# Altium PCB test_board.PcbDoc
Units mil, origin at the board's own origin, x right, y up, seen from the top; angles counter-clockwise.
Board outline 5010.03 x 3010.03 mil, 2 copper layers (Top Layer, Bottom Layer); 43 components, 37 nets, 164 pads, 38 vias.
Unrouted connection lines stored in the file: 7.
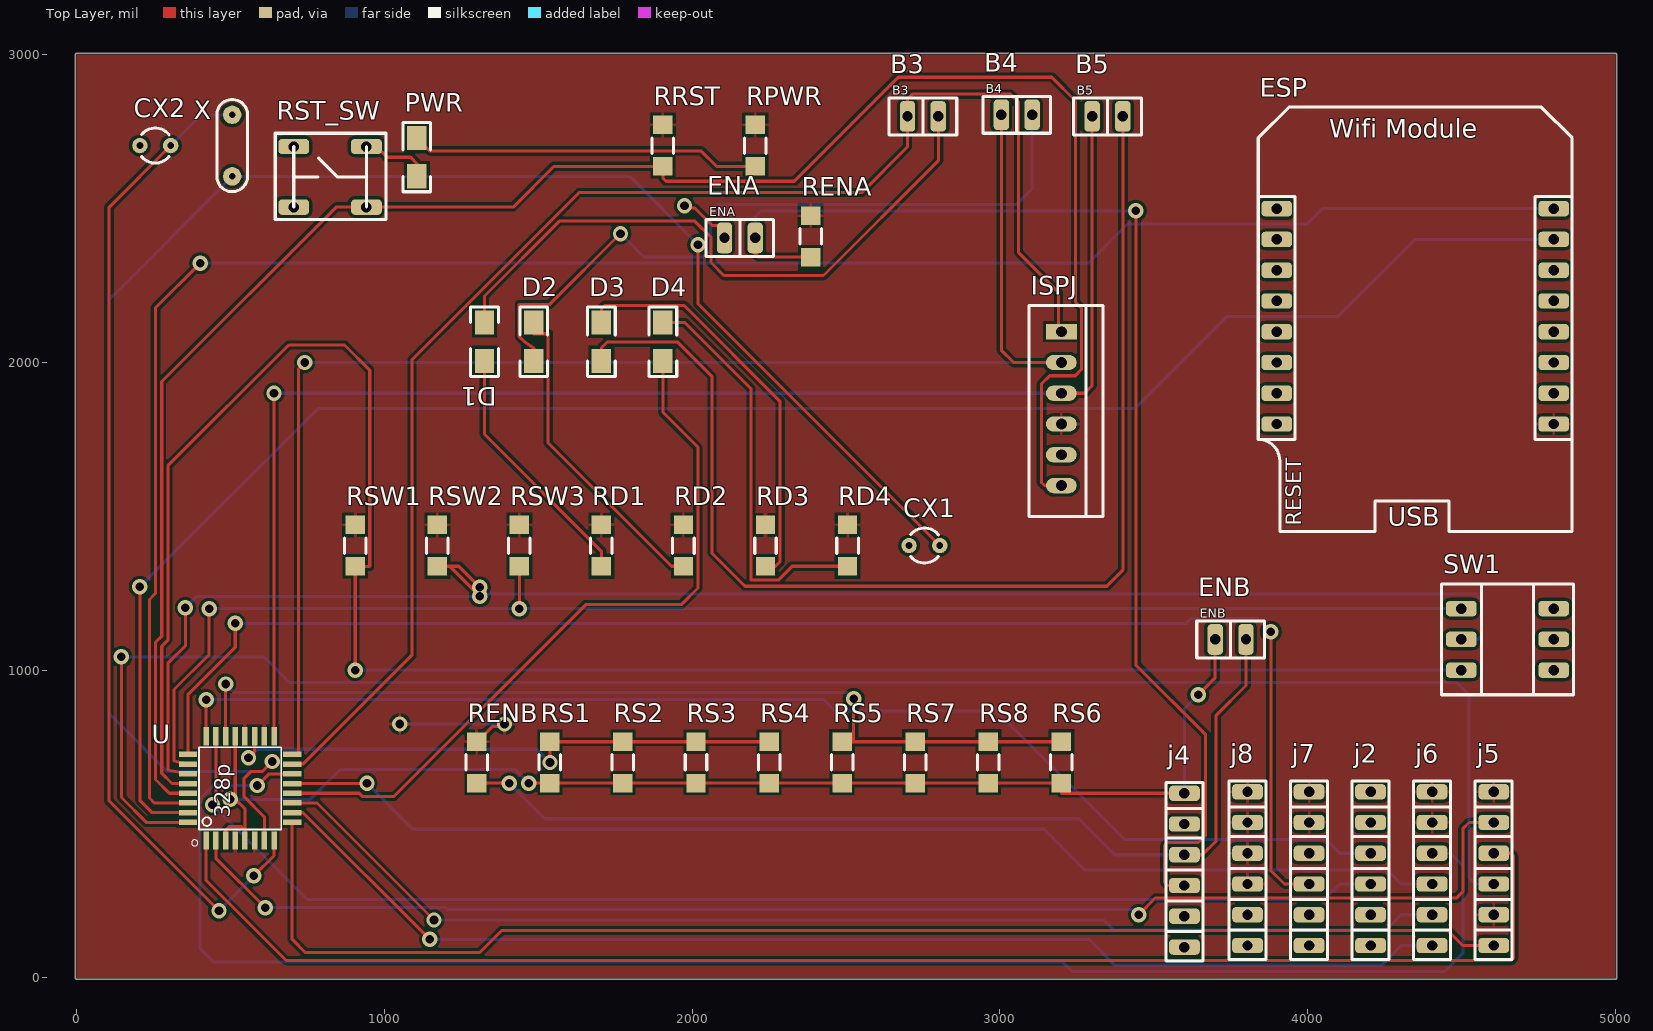
[diagram p0: Top Layer view]
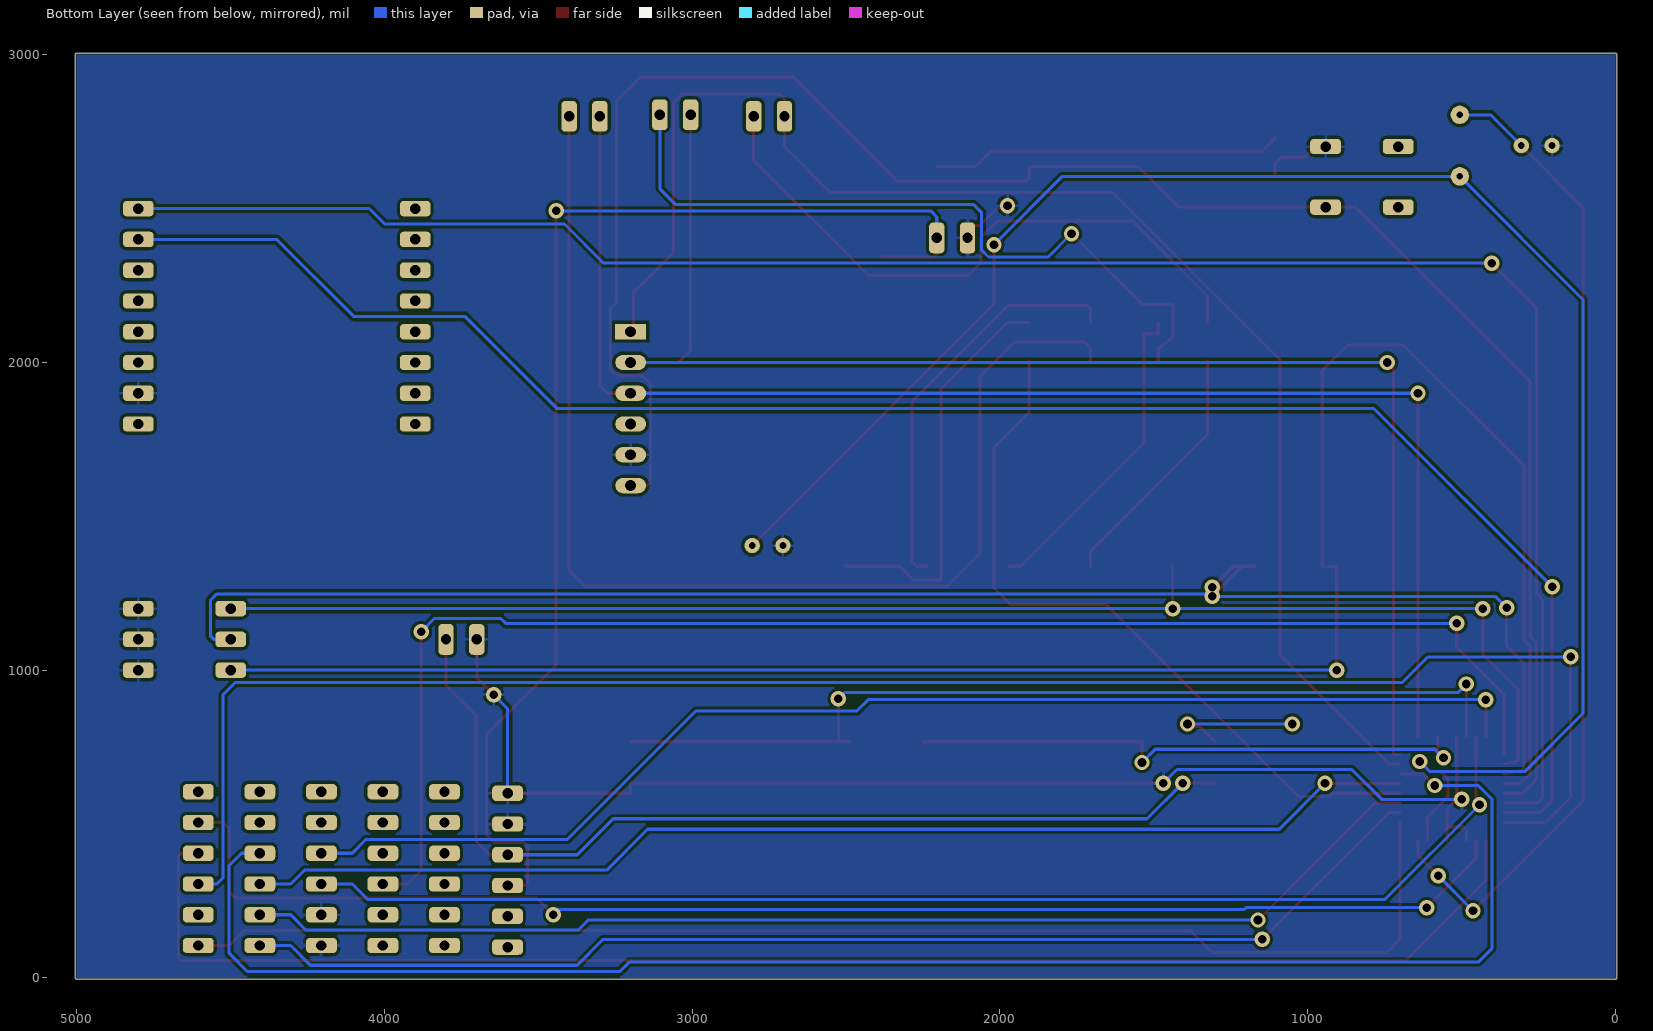
[diagram p1: Bottom Layer view, seen from below]

## Layer stack, top to bottom
Top Solder: solder mask 0.4, Solder Resist, Dk 3.5
Top Layer: signal copper 1.4
Dielectric 1: dielectric 12.6, FR-4, Dk 4.8
Bottom Layer: signal copper 1.4
Bottom Solder: solder mask 0.4, Solder Resist, Dk 3.5

## Board outline
0,-5.01 cw(c0,0) -5.01,0 -5.01,3000 cw(c0,3000) 0,3005.01 5000,3005.01 cw(c5000,3000) 5005.02,3000 5005.02,0 cw(c5000,0) 5000,-5.01

## Design rules (kind name [scope] priority, off if disabled: settings)
Clearance [All] p1: gap=10 ignorepadtopadclearanceinfootprint=FALSE except(0: Arc-Hole Track-Hole SMDPad-Hole THPad-Hole Via-Hole Fill-Hole Poly-Hole Region-Hole Text-Hole)
PolygonConnect [All] p1: connectstyle=Relief reliefconductorwidth=10 reliefentries=4 polygonreliefangle="90 Angle" airgapwidth=10
RoutingVias [All] p1: holewidth=28 width=50 viastyle="Through Hole" minholewidth=28 minwidth=50 maxholewidth=28 maxwidth=50
SolderMaskExpansion [All] p1: expansion=4 istentingtop=FALSE
Width [All] p1: maxlimit=10 minlimit=10 preferedwidth=10
30 further rules are at their usual default settings.

## Classes and differential pairs
component class Programmer_Sheet: ISPJ
component class Motors_Sheet: ENA ENB RENA RENB RS1 RS2 RS3 RS4 RS5 RS6 RS7 RS8
component class main: B3 B4 B5 CX1 CX2 D1 D2 D3 D4 PWR RD1 RD2 RD3 RD4 RPWR RRST RST_SW RSW1 RSW2 RSW3 SW1 U X
component class ESP8266_Sheet: ESP
component class connection_Sheet: j2 j4 j5 j6 j7 j8

## Components (designator, comment, footprint, x,y, rotation, side; value= is the part's Value field where it differs from the comment)
B3 "jumper" JUMPER2 2700,2800 r0 top
B4 "jumper" JUMPER2 3005,2805 r0 top
B5 "jumper" JUMPER2 3300,2800 r0 top
CX1 "cap disk" cap100 2705,1405 r0 top value=22pF
CX2 "cap disk" cap100 205,2705 r0 top value=22pF
D1 "3.2x1.6" LED3_2X1_6 1325,2130 r270 top
D2 "3.2x1.6" LED3_2X1_6 1485,2005 r90 top
D3 "3.2x1.6" LED3_2X1_6 1705,2005 r90 top
D4 "3.2x1.6" LED3_2X1_6 1905,2005 r90 top
ENA "jumper" JUMPER2 2105,2405 r0 top
ENB "jumper" JUMPER2 3700,1100 r0 top
ESP "D1" WEMOS_D1_MINI 3900,1800 r0 top
ISPJ "JST_B6B" JST_B6B 3200,1600 r0 top
j2 "100th" pin6header 4205,105 r0 top
j4 "100th" pin6header 3600,100 r0 top
j5 "100th" pin6header 4605,105 r0 top
j6 "100th" pin6header 4405,105 r0 top
j7 "100th" pin6header 4005,105 r0 top
j8 "100th" pin6header 3805,105 r0 top
PWR "3.2x1.6" LED3_2X1_6 1105,2605 r90 top
RD1 "1206" 1206 1705,1405 r90 top value=220
RD2 "1206" 1206 1971.67,1405 r90 top
RD3 "1206" 1206 2238.33,1405 r90 top
RD4 "1206" 1206 2505,1405 r90 top
RENA "1206" 1206 2385,2410 r90 top value=10K
RENB "1206" 1206 1300,700 r90 top value=10K
RPWR "1206" 1206 2205,2705 r90 top value=220
RRST "1206" 1206 1905,2705 r90 top value=10k
RS1 "1206" 1206 1537.5,700 r90 top value=1
RS2 "1206" 1206 1775,700 r90 top value=1
RS3 "1206" 1206 2012.5,700 r90 top value=1
RS4 "1206" 1206 2250,700 r90 top value=1
RS5 "1206" 1206 2487.5,700 r90 top value=1
RS6 "1206" 1206 3200,700 r90 top value=1
RS7 "1206" 1206 2725,700 r90 top value=1
RS8 "1206" 1206 2962.5,700 r90 top value=1
RST_SW "button" push_button 705,2505 r0 top
RSW1 "1206" 1206 905,1405 r90 top value=10k
RSW2 "1206" 1206 1171.67,1405 r90 top value=10k
RSW3 "1206" 1206 1438.33,1405 r90 top value=10k
SW1 "dipsw3" PCBComponent_1 4500,1000 r0 top
U "ATMEGA328P-AU" QFP80P900X900X120-32N 530.71,615.75 r90 top
X "XTAL" XTAL1 505,2605 r90 top

## Footprints (in the part's own frame and the unit in brackets; to place one, negate y for a bottom-side part, rotate by r counter-clockwise, add the part's x,y. Pads: shape width x height; smd on the part's side, far side on the other; paste and mask are expansions set on the pad)
1206 [mm]
  rect 1.52x1.6 smd: 1(-1.71,0) 2(1.71,0)
  silkscreen extent -0.64,-0.89 0.64,0.89, body extent -1.6,-0.8 1.6,0.8, height 0.7
cap100 [mil]
  round 50 hole 22: 1(0,0) 2(100,0)
  silkscreen extent 5,-57 95,57
JST_B6B [mm]
  rrect100% 2.54x1.27 hole 0.9: 1(0,0) 2(0,2.54) 3(0,5.08) 4(0,7.62) 5(0,10.16)
  rect 2.54x1.27 hole 0.9: 6(0,12.7)
  silkscreen extent -2.67,-2.54 3.43,14.86, body extent -2.54,-2.41 3.3,14.76, height 7.21
JUMPER2 [mm]
  rrect50% 1.27x2.54 hole 0.86: 1(0,0) 2(2.54,0)
  silkscreen extent -1.52,-1.52 4.06,1.52, body extent -1.27,-1.27 3.81,1.27, height 8.72
LED3_2X1_6 [mm]
  rect 2x1.6 smd: a(3.175,0) c(0,0)
  silkscreen extent -1.27,-1.14 4.44,1.14, body extent -0.08,-0.8 3.12,0.8, height 1.1
PCBComponent_1 [mm]
  rrect50% 2.54x1.27 hole 0.86: 1(0,5.08) 2(0,2.54) 3(0,0) 4(7.62,5.08) 5(7.62,2.54) 6(7.62,0)
  silkscreen extent -1.65,-2.03 9.27,7.11, body extent -1.14,-2.05 8.76,7.13, height 7.12
pin6header [mm]
  rrect50% 2.54x1.27 hole 0.86: 1(0,0) 2(0,2.54) 3(0,5.08) 4(0,7.62) 5(0,10.16) 6(0,12.7)
  silkscreen extent -1.52,-1.14 1.52,13.59, body extent -1.2,-1.4 1.2,13.84, height 8.35
push_button [mm]
  rrect50% 2.54x1.27 hole 0.86: a1(0,5) a2(0,0) b1(6,5) b2(6,0)
  silkscreen extent -1.52,-1.02 7.62,6.1, body extent -0.85,-0.46 6.85,5.54, height 5
QFP80P900X900X120-32N [mm]
  rect 1.5x0.457 smd: 1(-4.3,2.8) 2(-4.3,2) 3(-4.3,1.2) 4(-4.3,0.4) 5(-4.3,-0.4) 6(-4.3,-1.2) 7(-4.3,-2) 8(-4.3,-2.8) 17(4.3,-2.8) 18(4.3,-2) 19(4.3,-1.2) 20(4.3,-0.4) 21(4.3,0.4) 22(4.3,1.2) 23(4.3,2) 24(4.3,2.8)
  rect 0.457x1.5 smd: 9(-2.8,-4.3) 10(-2,-4.3) 11(-1.2,-4.3) 12(-0.4,-4.3) 13(0.4,-4.3) 14(1.2,-4.3) 15(2,-4.3) 16(2.8,-4.3) 25(2.8,4.3) 26(2,4.3) 27(1.2,4.3) 28(0.4,4.3) 29(-0.4,4.3) 30(-1.2,4.3) 31(-2,4.3) 32(-2.8,4.3)
  silkscreen extent -4.75,-3.4 3.4,4, body extent -4.5,-4.5 4.5,4.5, height 1.21
WEMOS_D1_MINI [mm]
  rrect50% 2.54x1.27 hole 0.86: 3V3(0,0) 5V(22.86,0) A0(0,15.24) D0(0,12.7) D1(22.86,12.7) D2(22.86,10.16) D3(22.86,7.62) D4(22.86,5.08) D5(0,10.16) D6(0,7.62) D7(0,5.08) D8(0,2.54) GND(22.86,2.54) RST(0,17.78) RX(22.86,15.24) TX(22.86,17.78)
  silkscreen extent -1.52,-8.89 24.38,26.16, body extent -1.52,-9.1 24.28,25.35, height 15.9
XTAL1 [mil]
  round 60 hole 22: 1(0,0) 2(200,0)
  silkscreen extent -50,-50 250,50, body extent -50,-50 250,50, height 100

## Part data
B3 B4 B5 ENA ENB: library part Jumper_2
CX1 CX2: library part C?
D1 D2 D3 D4 PWR: library part led
ESP: library part WEMOS_D1_MINI
j2 j4 j5 j6 j7 j8: library part pin6header, System=Connector
U: "AVR AVRÂ® ATmega Microcontroller IC 8-Bit 20MHz 32KB _16K x 16_ FLASH 32-TQFP _7x7_", Package="TQFP-32 Microchip", Availability=Unavailable, MF=Microchip, MP=ATMEGA328P-AU, Price=None, SnapEDA_Link=https://www.snapeda.com/parts/ATMEGA328P-AU/Microchip/view-part/44280/?ref=snap

## Via types
v1: diameter 50, hole 28, Top Layer to Bottom Layer, 38 vias

## Nets (pads, with @x,y where several pads share a name; then routed paths per layer and width w, separated by ;. In a path a pad name is that pad's centre, name@x,y a point inside that pad or via, vN(x,y) a via of type N, cw(c..) or ccw(c..) an arc to the next point about the centre after c; other vN are vias at no path point)
+5: ESP.5V ISPJ.3 j5.2 j5.6 j6.5 j6.6 j7.5 j7.6 j8.3 j8.4 j8.5 j8.6 RD1.2 RD2.2 RD3.2 RD4.2 RENA.2 RENB.2 RPWR.2 RRST.2 RSW1.2 RSW2.2 RSW3.2 U.4 U.6 U.18 U.20 | length 453.9
  Top Layer w10: RENB.2 1301.57,767.32 1351.6,817.35 1382.35,817.35 v1(1390,825)
  Bottom Layer w10: v1(1050,825) v1(1390,825)
GND: CX1.1 CX2.1 ENA.1 ENB.1 ESP.GND ISPJ.2 j2.1 j2.2 j4.5 j4.6 PWR.c RS1.1 RS2.1 RS3.1 RS4.1 RS5.1 RS6.1 RS7.1 RS8.1 RST_SW.b1 SW1.4 SW1.5 SW1.6 U.3 U.5 U.21 | length 4627.6
  Top Layer w10: U.3 483.46,479.46 495,491 535,491 546.46,479.54 ; v1(499,580) v1@514.96,595.96 ; U.21 v1@514.96,595.96 ; U.5 546.46,479.54 ; RST_SW.b1 974,2701.85 1008.85,2667 1085,2667 1105,2647 PWR.c ; v1(1469,632.68) RS1.1 RS2.1 RS3.1 RS4.1 RS5.1 RS7.1 RS8.1 RS6.1 3200,600 j4.6 ; v1(1975,2510) 1982.65,2502.35 2008.59,2502.35 2065.57,2445.37 2085.57,2445.37 2105,2425.94 ENA.1 ; v1(3645,920) 3700,975 ENB.1 ; v1@514.96,595.96 514.96,580.63 546.46,549.13 546.46,479.54
  Bottom Layer w10: v1(499,580) 759,580 856,677 1424.68,677 v1(1469,632.68) ; j4.6 3600,875 v1(3645,920)
MISO: B4.1 ISPJ.5 U.16 | length 4738.9
  Top Layer w10: U.16 721,725.98 721,1980 v1(741,2000) ; B4.1 3005,2040 3045,2000 ISPJ.5
  Bottom Layer w10: v1(741,2000) ISPJ.5
MOSI: B3.1 ISPJ.6 U.15 | length 4735.7
  Top Layer w10: U.15 734.49,694.49 1090,1050 1090,2010 1632,2552 2551,2552 2700,2701 B3.1 2700,2857 2715,2872 3034,2872 3061,2845 3061,2357 3191,2227 3191,2100 ISPJ.6
NetB3_2: B3.2 D1.c | length 2081.4
  Top Layer w10: D1.c 1325,2216 1568.42,2459.42 2008.58,2459.42 2061,2407 2061,2325 2103,2283 2427,2283 2800,2656 B3.2
NetB4_2: B4.2 D2.c | length 2403.7
  Top Layer w10: D2.c 1485,2047 1455,2067 1438,2084 1438,2188 1536,2188 v1(1767,2419)
  Bottom Layer w10: v1(1767,2419) 1843,2343 2037,2343 2059,2365 2059,2487 2085,2513 3053,2513 3105,2565 B4.2
NetB5_2: B5.2 D3.c | length 3907.4
  Top Layer w10: D3.c 1705,2047 1725,2067 1952,2067 2064,1955 2064,1380.59 2171.84,1272.76 3347.76,1272.76 3400,1325 B5.2
NetD1_A: D1.a RD1.1 | length 824.7
  Top Layer w10: D1.a 1325,1767 1705,1387 RD1.1
NetD2_A: D2.a RD2.1 | length 1044.3
  Top Layer w10: D2.a 1485,2093.44 1532,2093.44 1532,1738.32 1932.64,1337.68 RD2.1
NetD3_A: D3.a RD3.1 | length 1332.8
  Top Layer w10: D3.a 1705,2175 1715,2185 1974,2185 2285,1874 2285,1351.61 2271.07,1337.68 RD3.1
NetD4_A: D4.a RD4.1 | length 1329.9
  Top Layer w10: D4.a 1976,2130 2191,1915 2191,1292.76 2280.08,1292.76 2325,1337.68 RD4.1
NetENA_2: ENA.2 j4.3 RENA.1 | length 4010
  Top Layer w10: ENA.2 2205,2352.68 2215,2342.68 RENA.1 ; v1(3442,2493) 3442,1017 3669,790 3669,464 3645,440 3545,440 3535,430 3535,310 3545,300 j4.3
  Bottom Layer w10: ENA.2 2205,2473 2225,2493 v1(3442,2493)
NetENB_2: ENB.2 j4.4 RENB.1 | length 3213.2
  Top Layer w10: RENB.1 v1(1406,632.68) ; j4.4 3658,400 3703,445 3703,853 3800,950 ENB.2
  Bottom Layer w10: v1(1406,632.68) 1521.68,517 3257,517 3374,400 j4.4
NetESP_RX: ESP.RX U.31 | length 5929.6
  Top Layer w10: v1(205,1271) 205,577.01 245,537.01 U.31
  Bottom Layer w10: v1(205,1271) 784,1850 3439,1850 3739,2150 4100,2150 4350,2400 ESP.RX
NetESP_TX: ESP.TX U.30 | length 6411.3
  Top Layer w10: U.30 251.87,568.5 236,584.38 236,1229.72 255.99,1249.71 255.99,2177.99 v1(401,2323)
  Bottom Layer w10: v1(401,2323) 3288,2323 3415,2450 3999,2450 4049,2500 ESP.TX
Netj2_3: j2.3 U.23 | length 4139.5
  Top Layer w10: v1(441,562) 451.97,572.97 U.23
  Bottom Layer w10: v1(441,562) 748,255 4055,255 4105,305 j2.3
Netj2_4: j2.4 U.24 | length 4110.2
  Top Layer w10: U.24 v1(420.47,904)
  Bottom Layer w10: v1(420.47,904) 2428,904 2465,867 2988,867 3405,450 4060,450 4105,405 j2.4
Netj5_1: j5.1 U.9 | length 4353.4
  Top Layer w10: U.9 700,125 743,82 1309,82 1381,154 4456,154 4505,105 j5.1
Netj5_3: j5.3 U.32 | length 5821
  Top Layer w10: v1(145,1043) 145,586.01 225.5,505.51 U.32
  Bottom Layer w10: v1(145,1043) 609,1043 692,960 4485,960 4525,920 4525,325 4545,305 j5.3
Netj5_4: j5.4 U.1 | length 4889.4
  Top Layer w10: U.1 420.47,316.53 680,57 4662,57 4670,65 4670,395 4660,405 j5.4
Netj5_5: j5.5 U.2 | length 4531.1
  Top Layer w10: U.2 451.97,389 v1(612.97,228) ; v1(3451,205) 3506,260 4485,260 4505,280 4505,485 4525,505 j5.5
  Bottom Layer w10: v1(612.97,228) 1200,228 1206,222 3434,222 v1(3451,205)
Netj6_1: j6.1 U.10 | length 3937
  Top Layer w10: U.10 735,537.01 v1(1147.01,125)
  Bottom Layer w10: v1(1147.01,125) 3290,125 3374,41 4241,41 4305,105 j6.1
Netj6_2: j6.2 U.11 | length 3897
  Top Layer w10: U.11 780.5,568.5 v1(1161,188)
  Bottom Layer w10: v1(1161,188) 3338,188 3371,155 4255,155 4305,205 j6.2
Netj6_3: j6.3 U.13 | length 3840.7
  Top Layer w10: U.13 942.5,631.5 v1(943,632)
  Bottom Layer w10: v1(943,632) 1092,483 3145,483 3278,350 4260,350 4305,305 j6.3
Netj6_4: j6.4 U.14 | length 5380.4
  Top Layer w10: v1(587.01,625) 625,662.99 U.14
  Bottom Layer w10: v1(587.01,625) 445,625 401,581 401,95 445,51 3205,51 3236,20 4445,20 4505,80 4505,365 4465,405 j6.4
Netj7_1: j7.1 RS1.2 RS2.2 RS3.2 RS4.2 U.19 | length 1867.8
  Top Layer w10: v1(557.95,715) 577.95,735 U.19 ; v1(1538,700) 1537.5,700.5 RS1.2 RS2.2 RS3.2 RS4.2
  Bottom Layer w10: v1(557.95,715) 585.95,743 1495,743 v1(1538,700)
Netj7_2: j7.2 RS5.2 RS6.2 RS7.2 RS8.2 U.22 | length 3083.6
  Top Layer w10: U.22 v1(483.46,955) ; RS5.2 2525,767.32 ; v1(2525,907) 2525,767.32 ; RS6.2 RS8.2 RS7.2 2525,767.32
  Bottom Layer w10: v1(483.46,955) 511.46,927 2505,927 v1(2525,907)
Netj7_3: j7.3 U.25 | length 4798.9
  Top Layer w10: U.25 361,725.98 361,920 515,1074 v1(515,1152) ; v1(3881,1125) 3881,349 3925,305 j7.3
  Bottom Layer w10: v1(515,1152) 3606,1152 3622,1168 3838,1168 v1(3881,1125)
NetPWR_A: PWR.a RPWR.1 | length 1138.2
  Top Layer w10: PWR.a 1148,2687 2030,2687 2079.32,2637.68 RPWR.1
PB0: D4.c U.12 | length 2388.8
  Top Layer w10: U.12 918,600 928,590 1031,590 1654,1213 1965,1213 2019,1267 2019,1724 1905,1838 D4.c
PB5: B5.1 ISPJ.4 U.17 | length 4659.4
  Top Layer w10: U.17 v1(640.94,1900) ; ISPJ.4 3275,1900 3300,1925 B5.1
  Bottom Layer w10: v1(640.94,1900) ISPJ.4
PC3: RSW3.1 SW1.1 U.26 | length 4796.5
  Top Layer w10: U.26 316,705 316,936.94 430,1050.94 v1(430,1200) ; v1(1438.33,1200) RSW3.1
  Bottom Layer w10: v1(430,1200) v1(1438.33,1200) SW1.1
PC4: RSW2.1 SW1.2 U.27 | length 5353.6
  Top Layer w10: v1(353,1203) 353,1079.25 296,1022.25 296,676.14 U.27 ; RSW2.1 1212.32,1337.68 ; v1(1310,1240) 1212.32,1337.68 ; v1(1310,1269) 1241.32,1337.68 1212.32,1337.68
  Bottom Layer w10: v1(353,1203) 390,1240 v1(1310,1240) ; v1(1310,1269) 1331,1248 4545,1248 4565,1228 4565,1110 4555,1100 SW1.2
PC5: RSW1.1 SW1.3 U.28 | length 6577
  Top Layer w10: U.28 309.5,631.5 276,665 276,1077.54 295.99,1097.53 295.99,1663.99 689,2057 870,2057 952,1975 952,1337 RSW1.1@905,1337 ; v1(905,1000) RSW1.1@905,1337 ; RSW1.1 RSW1.1@905,1337
  Bottom Layer w10: v1(905,1000) SW1.3
RESET: ISPJ.1 RRST.1 RST_SW.b2 U.29 | length 6319.5
  Top Layer w10: U.29 300.69,600 256,644.69 256,1090.22 275.99,1110.21 275.99,1937.99 843,2505 RST_SW.b2 1418,2505 1550.68,2637.68 RRST.1 1905,2599 1915,2589 2332,2589 2670,2927 3169,2927 3246,2850 3246,2196 3265,2177 3265,1977 3245,1957 3162,1957 3135,1930 3135,1610 3145,1600 ISPJ.1
XTAL1: CX1.2 U.7 X.1 | length 5786.3
  Top Layer w10: U.7 609.45,522.56 543.82,588.19 543.82,648.82 565,670 602,670 v1(635,703) ; v1(2019,2383) 2019,2191 CX1.2
  Bottom Layer w10: v1(635,703) 602,670 294,670 105,859 105,2205 X.1 1797,2605 v1(2019,2383)
XTAL2: CX2.2 U.8 X.2 | length 3261.7
  Top Layer w10: CX2.2 105,2505 105,575 v1(462,218) ; v1(575.47,331.47) 640.94,396.94 U.8
  Bottom Layer w10: CX2.2 405,2805 X.2 ; v1(462,218) v1(575.47,331.47)
pads on no net: ESP.3V3 ESP.A0 ESP.D0 ESP.D1 ESP.D2 ESP.D3 ESP.D4 ESP.D5 ESP.D6 ESP.D7 ESP.D8 ESP.RST j2.5 j2.6 j4.1 j4.2 j7.4 j8.1 j8.2 RST_SW.a1 RST_SW.a2

## Polygon pours and split planes (outlines as drawn)
+5 on Top Layer "btm gnd" (solid, pour order 0): 0,3000 5000,3000 5000,0 0,0
GND on Bottom Layer "btm gnd" (solid, pour order 1): 0,3000 0,0 5000,0 5000,3000

## Text inside footprints (layer, text, board x,y; h text height)
ESP: Top Overlay "RESET" at 3980,1470 h50 r90; Top Overlay "Wifi Module" at 4070,2730 h60; Top Overlay "USB" at 4260,1470 h60
U: Top Overlay "328p" at 499.05,520.75 h50 r90